# KiCad board Oblique Palette 0.5.4 PCB Main.kicad_pcb
title: Oblique Palette 0.5; date: 2025-07-16; rev: 0.5.5; company: Oblique Industries
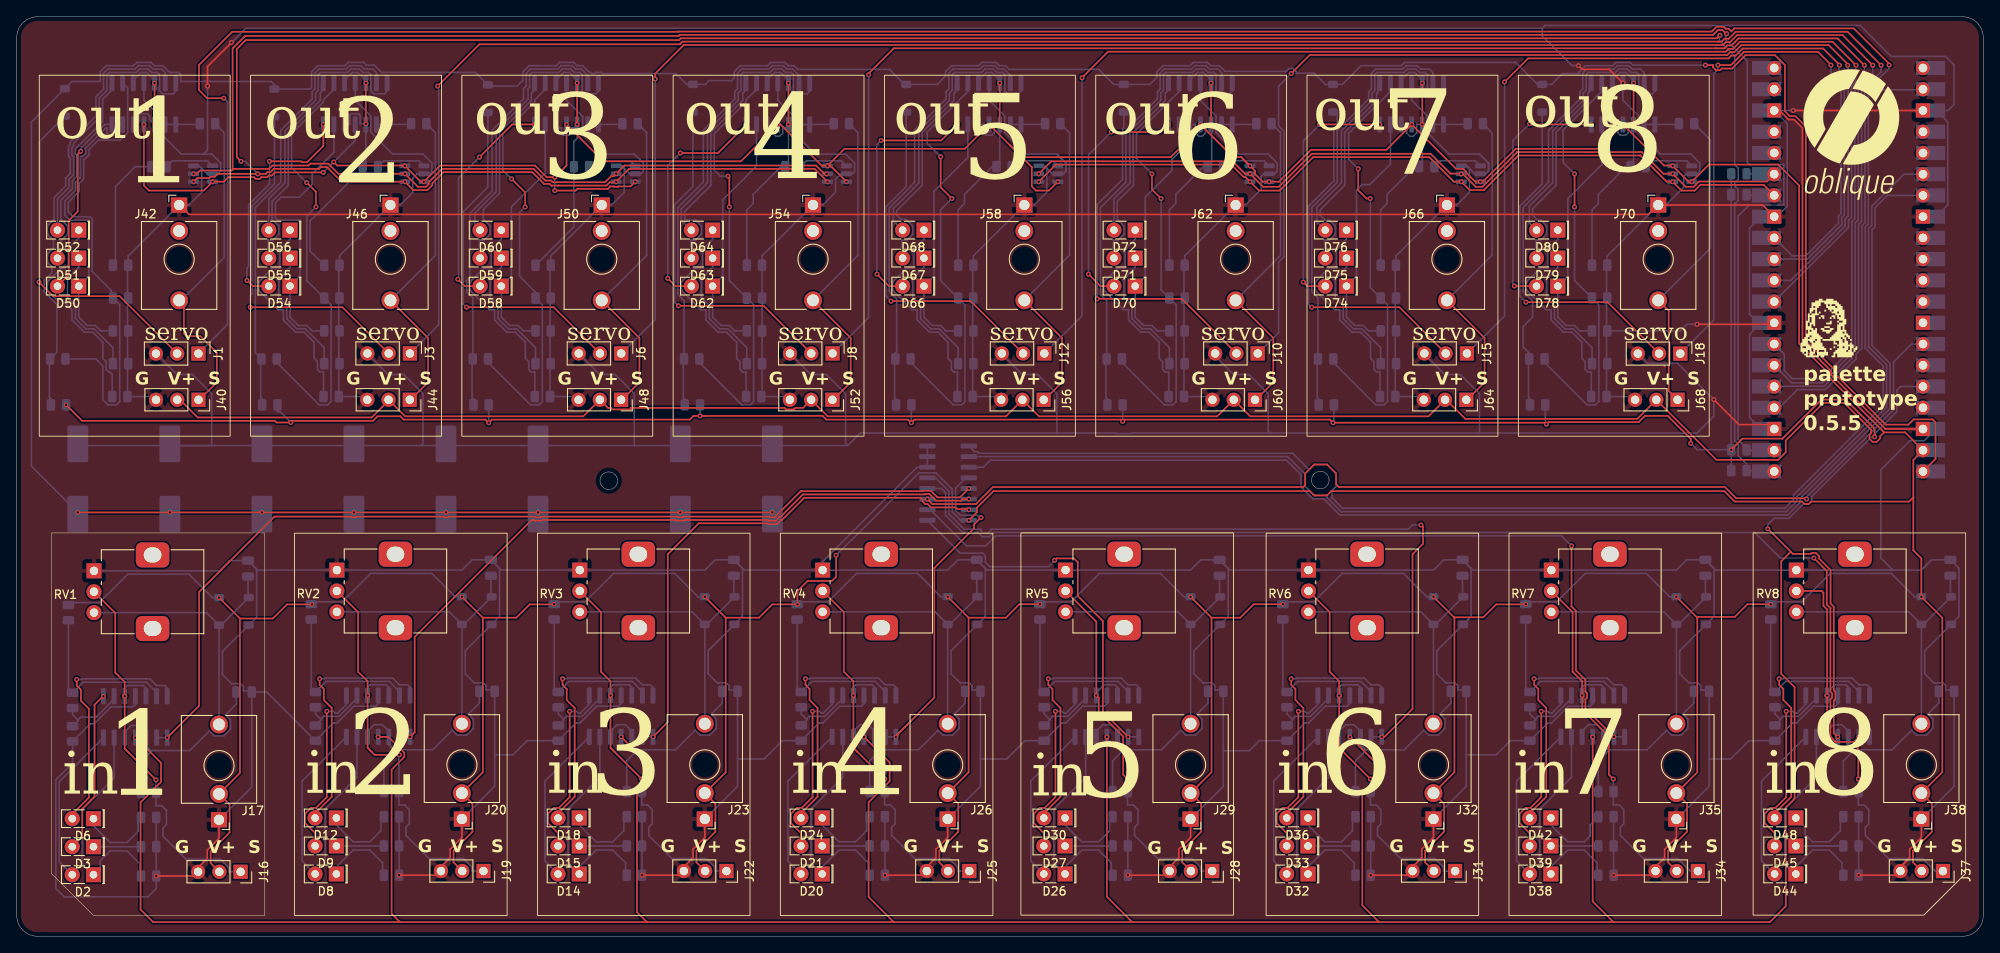
[diagram p0: board, top side]
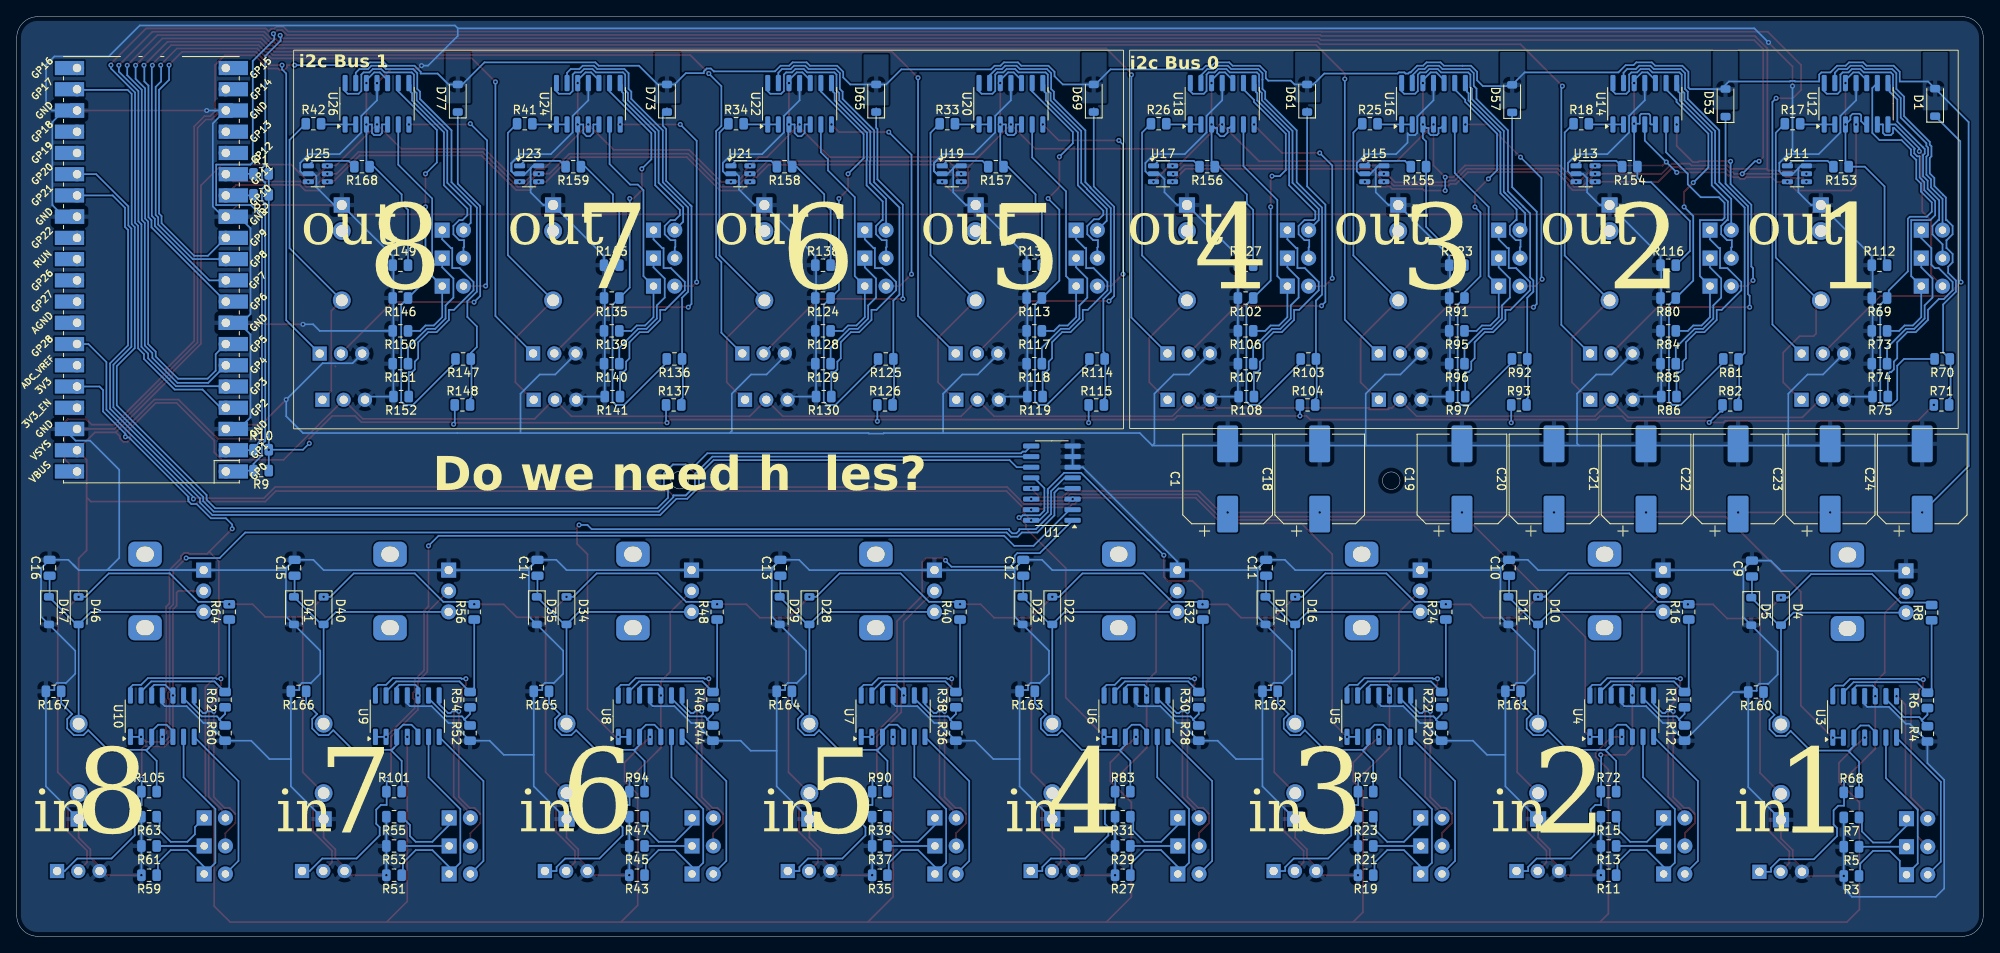
[diagram p1: board, bottom side, seen from below]

Outline 235 x 110 mm; copper layers: Top, Bottom. Coordinates in mm from the lower left corner of the outline.
Outline path: circle c70.75,54.5 r1.05 ; circle c155.78,54.57 r1.05 ; 0,107.5 arc(0.73,109.27) 2.5,110 232.5,110 arc(234.27,109.27) 235,107.5 235,2.5 arc(234.27,0.73) 232.5,0 2.5,0 arc(0.73,0.73) 0,2.5 0,107.5

## Placement (name value [footprint] x y rotation side)
C1  1mF  [CP_Elec_10x10.5]  90.3 54.7 90 bottom
C9  1n  [C_0805_2012Metric]  27.64 43.99 90 bottom
C10  1n  [C_0805_2012Metric]  56.67 44.08 90 bottom
C11  1n  [C_0805_2012Metric]  85.69 44.08 90 bottom
C12  1n  [C_0805_2012Metric]  114.72 44.08 90 bottom
C13  1n  [C_0805_2012Metric]  143.75 44.08 90 bottom
C14  1n  [C_0805_2012Metric]  172.77 44.08 90 bottom
C15  1n  [C_0805_2012Metric]  201.8 44.08 90 bottom
C16  1n  [C_0805_2012Metric]  231.07 44.08 90 bottom
C18  1mF  [CP_Elec_10x10.5]  79.3 54.7 90 bottom
C19  1mF  [CP_Elec_10x10.5]  62.3 54.7 90 bottom
C20  1mF  [CP_Elec_10x10.5]  51.3 54.7 90 bottom
C21  1mF  [CP_Elec_10x10.5]  40.3 54.7 90 bottom
C22  1mF  [CP_Elec_10x10.5]  29.3 54.7 90 bottom
C23  1mF  [CP_Elec_10x10.5]  18.3 54.7 90 bottom
C24  1mF  [CP_Elec_10x10.5]  7.3 54.7 90 bottom
D1  ~  [D_SOD-123]  5.75 99.75 90 bottom
D2  White  [LED_Rectangular_W5.0mm_H2.0mm]  9.17 7.37 180 top
D3  Yellow  [LED_Rectangular_W5.0mm_H2.0mm]  9.17 10.72 180 top
D4  1N4148  [D_SOD-123]  24.17 38.87 270 bottom
D5  1N4148  [D_SOD-123]  27.72 38.87 270 bottom
D6  Red  [LED_Rectangular_W5.0mm_H2.0mm]  9.17 14.07 180 top
D8  White  [LED_Rectangular_W5.0mm_H2.0mm]  38.2 7.46 180 top
D9  Yellow  [LED_Rectangular_W5.0mm_H2.0mm]  38.2 10.81 180 top
D10  1N4148  [D_SOD-123]  53.2 38.96 270 bottom
D11  1N4148  [D_SOD-123]  56.75 38.96 270 bottom
D12  Red  [LED_Rectangular_W5.0mm_H2.0mm]  38.2 14.16 180 top
D14  White  [LED_Rectangular_W5.0mm_H2.0mm]  67.22 7.46 180 top
D15  Yellow  [LED_Rectangular_W5.0mm_H2.0mm]  67.22 10.81 180 top
D16  1N4148  [D_SOD-123]  82.22 38.96 270 bottom
D17  1N4148  [D_SOD-123]  85.77 38.96 270 bottom
D18  Red  [LED_Rectangular_W5.0mm_H2.0mm]  67.22 14.16 180 top
D20  White  [LED_Rectangular_W5.0mm_H2.0mm]  96.25 7.46 180 top
D21  Yellow  [LED_Rectangular_W5.0mm_H2.0mm]  96.25 10.81 180 top
D22  1N4148  [D_SOD-123]  111.25 38.96 270 bottom
D23  1N4148  [D_SOD-123]  114.8 38.96 270 bottom
D24  Red  [LED_Rectangular_W5.0mm_H2.0mm]  96.25 14.16 180 top
D26  White  [LED_Rectangular_W5.0mm_H2.0mm]  125.28 7.46 180 top
D27  Yellow  [LED_Rectangular_W5.0mm_H2.0mm]  125.28 10.81 180 top
D28  1N4148  [D_SOD-123]  140.28 38.96 270 bottom
D29  1N4148  [D_SOD-123]  143.83 38.96 270 bottom
D30  Red  [LED_Rectangular_W5.0mm_H2.0mm]  125.28 14.16 180 top
D32  White  [LED_Rectangular_W5.0mm_H2.0mm]  154.3 7.46 180 top
D33  Yellow  [LED_Rectangular_W5.0mm_H2.0mm]  154.3 10.81 180 top
D34  1N4148  [D_SOD-123]  169.3 38.96 270 bottom
D35  1N4148  [D_SOD-123]  172.85 38.96 270 bottom
D36  Red  [LED_Rectangular_W5.0mm_H2.0mm]  154.3 14.16 180 top
D38  White  [LED_Rectangular_W5.0mm_H2.0mm]  183.33 7.46 180 top
D39  Yellow  [LED_Rectangular_W5.0mm_H2.0mm]  183.33 10.81 180 top
D40  1N4148  [D_SOD-123]  198.33 38.96 270 bottom
D41  1N4148  [D_SOD-123]  201.88 38.96 270 bottom
D42  Red  [LED_Rectangular_W5.0mm_H2.0mm]  183.33 14.16 180 top
D44  White  [LED_Rectangular_W5.0mm_H2.0mm]  212.6 7.46 180 top
D45  Yellow  [LED_Rectangular_W5.0mm_H2.0mm]  212.6 10.81 180 top
D46  1N4148  [D_SOD-123]  227.6 38.96 270 bottom
D47  1N4148  [D_SOD-123]  231.15 38.96 270 bottom
D48  Red  [LED_Rectangular_W5.0mm_H2.0mm]  212.6 14.16 180 top
D50  White  [LED_Rectangular_W5.0mm_H2.0mm]  7.41 77.77 180 top
D51  Yellow  [LED_Rectangular_W5.0mm_H2.0mm]  7.41 81.12 180 top
D52  Red  [LED_Rectangular_W5.0mm_H2.0mm]  7.41 84.47 180 top
D53  ~  [D_SOD-123]  30.8 99.7 90 bottom
D54  White  [LED_Rectangular_W5.0mm_H2.0mm]  32.66 77.77 180 top
D55  Yellow  [LED_Rectangular_W5.0mm_H2.0mm]  32.66 81.12 180 top
D56  Red  [LED_Rectangular_W5.0mm_H2.0mm]  32.66 84.47 180 top
D57  ~  [D_SOD-123]  56.3 100.2 90 bottom
D58  White  [LED_Rectangular_W5.0mm_H2.0mm]  57.91 77.77 180 top
D59  Yellow  [LED_Rectangular_W5.0mm_H2.0mm]  57.91 81.12 180 top
D60  Red  [LED_Rectangular_W5.0mm_H2.0mm]  57.91 84.47 180 top
D61  ~  [D_SOD-123]  80.8 100.25 90 bottom
D62  White  [LED_Rectangular_W5.0mm_H2.0mm]  83.16 77.77 180 top
D63  Yellow  [LED_Rectangular_W5.0mm_H2.0mm]  83.16 81.12 180 top
D64  Red  [LED_Rectangular_W5.0mm_H2.0mm]  83.16 84.47 180 top
D65  ~  [D_SOD-123]  132.3 100.25 90 bottom
D66  White  [LED_Rectangular_W5.0mm_H2.0mm]  108.41 77.77 180 top
D67  Yellow  [LED_Rectangular_W5.0mm_H2.0mm]  108.41 81.12 180 top
D68  Red  [LED_Rectangular_W5.0mm_H2.0mm]  108.41 84.47 180 top
D69  ~  [D_SOD-123]  106.3 100.25 90 bottom
D70  White  [LED_Rectangular_W5.0mm_H2.0mm]  133.66 77.77 180 top
D71  Yellow  [LED_Rectangular_W5.0mm_H2.0mm]  133.66 81.12 180 top
D72  Red  [LED_Rectangular_W5.0mm_H2.0mm]  133.66 84.47 180 top
D73  ~  [D_SOD-123]  157.3 100.25 90 bottom
D74  White  [LED_Rectangular_W5.0mm_H2.0mm]  158.91 77.77 180 top
D75  Yellow  [LED_Rectangular_W5.0mm_H2.0mm]  158.91 81.12 180 top
D76  Red  [LED_Rectangular_W5.0mm_H2.0mm]  158.91 84.47 180 top
D77  ~  [D_SOD-123]  182.3 100.25 90 bottom
D78  White  [LED_Rectangular_W5.0mm_H2.0mm]  184.16 77.77 180 top
D79  Yellow  [LED_Rectangular_W5.0mm_H2.0mm]  184.16 81.12 180 top
D80  Red  [LED_Rectangular_W5.0mm_H2.0mm]  184.16 84.47 180 top
G1  LOGO  [PCB silkscreen logo]  219.23 98 0 top
G1#2  LOGO  [PCB silkscreen logo]  167.75 -47.75 0 top
G2  LOGO  [PCB silkscreen logotype]  219 90 0 top
G2#2  LOGO  [PCB silkscreen logotype]  178.52 -51.75 0 top
G***  -  [LOGO]  216.66 72.76 0 top
J1  Conn_01x03_Male_Pin  [PinHeader_1x03_P2.54mm_Vertical]  21.71 69.7 270 top
J3  Conn_01x03_Male_Pin  [PinHeader_1x03_P2.54mm_Vertical]  46.99 69.72 270 top
J6  Conn_01x03_Male_Pin  [PinHeader_1x03_P2.54mm_Vertical]  72.24 69.72 270 top
J8  Conn_01x03_Male_Pin  [PinHeader_1x03_P2.54mm_Vertical]  97.49 69.72 270 top
J10  Conn_01x03_Male_Pin  [PinHeader_1x03_P2.54mm_Vertical]  148.3 69.72 270 top
J12  Conn_01x03_Male_Pin  [PinHeader_1x03_P2.54mm_Vertical]  122.8 69.72 270 top
J15  Conn_01x03_Male_Pin  [PinHeader_1x03_P2.54mm_Vertical]  173.3 69.72 270 top
J16  Conn_01x03_Female_Pin  [PinSocket_1x03_P2.54mm_Vertical]  26.75 7.72 270 top
J17  AudioJack2_SwitchT  [Jack_3.5mm_QingPu_WQP-PJ398SM_Vertical_CircularHoles]  24.17 13.94 180 top
J18  Conn_01x03_Male_Pin  [PinHeader_1x03_P2.54mm_Vertical]  198.8 69.7 270 top
J19  Conn_01x03_Female_Pin  [PinSocket_1x03_P2.54mm_Vertical]  55.78 7.81 270 top
J20  AudioJack2_SwitchT  [Jack_3.5mm_QingPu_WQP-PJ398SM_Vertical_CircularHoles]  53.2 14.03 180 top
J22  Conn_01x03_Female_Pin  [PinSocket_1x03_P2.54mm_Vertical]  84.8 7.81 270 top
J23  AudioJack2_SwitchT  [Jack_3.5mm_QingPu_WQP-PJ398SM_Vertical_CircularHoles]  82.22 14.03 180 top
J25  Conn_01x03_Female_Pin  [PinSocket_1x03_P2.54mm_Vertical]  113.83 7.81 270 top
J26  AudioJack2_SwitchT  [Jack_3.5mm_QingPu_WQP-PJ398SM_Vertical_CircularHoles]  111.25 14.03 180 top
J28  Conn_01x03_Female_Pin  [PinSocket_1x03_P2.54mm_Vertical]  142.86 7.81 270 top
J29  AudioJack2_SwitchT  [Jack_3.5mm_QingPu_WQP-PJ398SM_Vertical_CircularHoles]  140.28 14.03 180 top
J31  Conn_01x03_Female_Pin  [PinSocket_1x03_P2.54mm_Vertical]  171.88 7.81 270 top
J32  AudioJack2_SwitchT  [Jack_3.5mm_QingPu_WQP-PJ398SM_Vertical_CircularHoles]  169.3 14.03 180 top
J34  Conn_01x03_Female_Pin  [PinSocket_1x03_P2.54mm_Vertical]  200.91 7.81 270 top
J35  AudioJack2_SwitchT  [Jack_3.5mm_QingPu_WQP-PJ398SM_Vertical_CircularHoles]  198.33 14.03 180 top
J37  Conn_01x03_Female_Pin  [PinSocket_1x03_P2.54mm_Vertical]  230.18 7.81 270 top
J38  AudioJack2_SwitchT  [Jack_3.5mm_QingPu_WQP-PJ398SM_Vertical_CircularHoles]  227.6 14.03 180 top
J40  Conn_01x03_Female_Pin  [PinSocket_1x03_P2.54mm_Vertical]  21.72 64.18 270 top
J42  AudioJack2_SwitchT  [Jack_3.5mm_QingPu_WQP-PJ398SM_Vertical_CircularHoles]  19.41 87.47 0 top
J44  Conn_01x03_Female_Pin  [PinSocket_1x03_P2.54mm_Vertical]  46.97 64.18 270 top
J46  AudioJack2_SwitchT  [Jack_3.5mm_QingPu_WQP-PJ398SM_Vertical_CircularHoles]  44.66 87.47 0 top
J48  Conn_01x03_Female_Pin  [PinSocket_1x03_P2.54mm_Vertical]  72.22 64.18 270 top
J50  AudioJack2_SwitchT  [Jack_3.5mm_QingPu_WQP-PJ398SM_Vertical_CircularHoles]  69.91 87.47 0 top
J52  Conn_01x03_Female_Pin  [PinSocket_1x03_P2.54mm_Vertical]  97.47 64.18 270 top
J54  AudioJack2_SwitchT  [Jack_3.5mm_QingPu_WQP-PJ398SM_Vertical_CircularHoles]  95.16 87.47 0 top
J56  Conn_01x03_Female_Pin  [PinSocket_1x03_P2.54mm_Vertical]  122.72 64.18 270 top
J58  AudioJack2_SwitchT  [Jack_3.5mm_QingPu_WQP-PJ398SM_Vertical_CircularHoles]  120.41 87.47 0 top
J60  Conn_01x03_Female_Pin  [PinSocket_1x03_P2.54mm_Vertical]  147.97 64.18 270 top
J62  AudioJack2_SwitchT  [Jack_3.5mm_QingPu_WQP-PJ398SM_Vertical_CircularHoles]  145.66 87.47 0 top
J64  Conn_01x03_Female_Pin  [PinSocket_1x03_P2.54mm_Vertical]  173.22 64.18 270 top
J66  AudioJack2_SwitchT  [Jack_3.5mm_QingPu_WQP-PJ398SM_Vertical_CircularHoles]  170.91 87.47 0 top
J68  Conn_01x03_Female_Pin  [PinSocket_1x03_P2.54mm_Vertical]  198.47 64.18 270 top
J70  AudioJack2_SwitchT  [Jack_3.5mm_QingPu_WQP-PJ398SM_Vertical_CircularHoles]  196.16 87.47 0 top
R1  R33k  [R_0805_2012Metric]  205.8 91.2 180 bottom
R2  R33k  [R_0805_2012Metric]  205.8 88.7 0 bottom
R3  1K  [R_0805_2012Metric]  15.76 7.22 0 bottom
R4  300k  [R_0805_2012Metric]  6.67 24.22 90 bottom
R5  127R  [R_0805_2012Metric]  15.76 10.72 0 bottom
R6  110K  [R_0805_2012Metric]  6.67 28.22 90 bottom
R7  127R  [R_0805_2012Metric]  15.76 14.22 0 bottom
R8  150K  [R_0805_2012Metric]  6.17 38.72 90 bottom
R9  R33k  [R_0805_2012Metric]  205.8 55.7 0 bottom
R10  R33k  [R_0805_2012Metric]  205.8 58.2 180 bottom
R11  1K  [R_0805_2012Metric]  44.79 7.31 0 bottom
R12  300k  [R_0805_2012Metric]  35.7 24.31 90 bottom
R13  127R  [R_0805_2012Metric]  44.79 10.81 0 bottom
R14  110K  [R_0805_2012Metric]  35.7 28.31 90 bottom
R15  127R  [R_0805_2012Metric]  44.79 14.31 0 bottom
R16  150K  [R_0805_2012Metric]  35.2 38.81 90 bottom
R17  100R  [R_0805_2012Metric]  22.8 97.2 180 bottom
R18  100R  [R_0805_2012Metric]  48.05 97.2 180 bottom
R19  1K  [R_0805_2012Metric]  73.81 7.31 0 bottom
R20  300k  [R_0805_2012Metric]  64.72 24.31 90 bottom
R21  127R  [R_0805_2012Metric]  73.81 10.81 0 bottom
R22  110K  [R_0805_2012Metric]  64.72 28.31 90 bottom
R23  127R  [R_0805_2012Metric]  73.81 14.31 0 bottom
R24  150K  [R_0805_2012Metric]  64.22 38.81 90 bottom
R25  100R  [R_0805_2012Metric]  73.3 97.2 180 bottom
R26  100R  [R_0805_2012Metric]  98.55 97.2 180 bottom
R27  1K  [R_0805_2012Metric]  102.84 7.31 0 bottom
R28  300k  [R_0805_2012Metric]  93.75 24.31 90 bottom
R29  127R  [R_0805_2012Metric]  102.84 10.81 0 bottom
R30  110K  [R_0805_2012Metric]  93.75 28.31 90 bottom
R31  127R  [R_0805_2012Metric]  102.84 14.31 0 bottom
R32  150K  [R_0805_2012Metric]  93.25 38.81 90 bottom
R33  100R  [R_0805_2012Metric]  123.8 97.2 180 bottom
R34  100R  [R_0805_2012Metric]  149.05 97.2 180 bottom
R35  1K  [R_0805_2012Metric]  131.86 7.31 0 bottom
R36  300k  [R_0805_2012Metric]  122.78 24.31 90 bottom
R37  127R  [R_0805_2012Metric]  131.86 10.81 0 bottom
R38  110K  [R_0805_2012Metric]  122.78 28.31 90 bottom
R39  127R  [R_0805_2012Metric]  131.86 14.31 0 bottom
R40  150K  [R_0805_2012Metric]  122.28 38.81 90 bottom
R41  100R  [R_0805_2012Metric]  174.3 97.2 180 bottom
R42  100R  [R_0805_2012Metric]  199.55 97.2 180 bottom
R43  1K  [R_0805_2012Metric]  160.89 7.31 0 bottom
R44  300k  [R_0805_2012Metric]  151.8 24.31 90 bottom
R45  127R  [R_0805_2012Metric]  160.89 10.81 0 bottom
R46  110K  [R_0805_2012Metric]  151.8 28.31 90 bottom
R47  127R  [R_0805_2012Metric]  160.89 14.31 0 bottom
R48  150K  [R_0805_2012Metric]  151.3 38.81 90 bottom
R51  1K  [R_0805_2012Metric]  189.91 7.31 0 bottom
R52  300k  [R_0805_2012Metric]  180.83 24.31 90 bottom
R53  127R  [R_0805_2012Metric]  189.91 10.81 0 bottom
R54  110K  [R_0805_2012Metric]  180.83 28.31 90 bottom
R55  127R  [R_0805_2012Metric]  189.91 14.31 0 bottom
R56  150K  [R_0805_2012Metric]  180.33 38.81 90 bottom
R59  1K  [R_0805_2012Metric]  219.19 7.31 0 bottom
R60  300k  [R_0805_2012Metric]  210.1 24.31 90 bottom
R61  127R  [R_0805_2012Metric]  219.19 10.81 0 bottom
R62  110K  [R_0805_2012Metric]  210.1 28.31 90 bottom
R63  127R  [R_0805_2012Metric]  219.19 14.31 0 bottom
R64  150K  [R_0805_2012Metric]  209.6 38.81 90 bottom
R68  100K  [R_0805_2012Metric]  15.76 17.22 180 bottom
R69  300k  [R_0805_2012Metric]  12.41 76.35 0 bottom
R70  110k  [R_0805_2012Metric]  4.91 69.06 0 bottom
R71  150k  [R_0805_2012Metric]  4.99 63.56 180 bottom
R72  100K  [R_0805_2012Metric]  44.79 17.31 180 bottom
R73  1K  [R_0805_2012Metric]  12.41 72.42 0 bottom
R74  127R  [R_0805_2012Metric]  12.41 68.49 0 bottom
R75  127R  [R_0805_2012Metric]  12.32 64.56 0 bottom
R79  100K  [R_0805_2012Metric]  73.81 17.31 180 bottom
R80  300k  [R_0805_2012Metric]  37.66 76.35 0 bottom
R81  110k  [R_0805_2012Metric]  30.16 69.06 0 bottom
R82  150k  [R_0805_2012Metric]  30.24 63.56 180 bottom
R83  100K  [R_0805_2012Metric]  102.84 17.31 180 bottom
R84  1K  [R_0805_2012Metric]  37.66 72.42 0 bottom
R85  127R  [R_0805_2012Metric]  37.66 68.49 0 bottom
R86  127R  [R_0805_2012Metric]  37.57 64.56 0 bottom
R90  100K  [R_0805_2012Metric]  131.86 17.31 180 bottom
R91  300k  [R_0805_2012Metric]  62.91 76.35 0 bottom
R92  110k  [R_0805_2012Metric]  55.41 69.06 0 bottom
R93  150k  [R_0805_2012Metric]  55.49 63.56 180 bottom
R94  100K  [R_0805_2012Metric]  160.89 17.31 180 bottom
R95  1K  [R_0805_2012Metric]  62.91 72.42 0 bottom
R96  127R  [R_0805_2012Metric]  62.91 68.49 0 bottom
R97  127R  [R_0805_2012Metric]  62.82 64.56 0 bottom
R101  100K  [R_0805_2012Metric]  189.91 17.31 180 bottom
R102  300k  [R_0805_2012Metric]  88.16 76.35 0 bottom
R103  110k  [R_0805_2012Metric]  80.66 69.06 0 bottom
R104  150k  [R_0805_2012Metric]  80.74 63.56 180 bottom
R105  100K  [R_0805_2012Metric]  219.19 17.31 180 bottom
R106  1K  [R_0805_2012Metric]  88.16 72.42 0 bottom
R107  127R  [R_0805_2012Metric]  88.16 68.49 0 bottom
R108  127R  [R_0805_2012Metric]  88.07 64.56 0 bottom
R112  200k  [R_0805_2012Metric]  12.41 80.28 180 bottom
R113  300k  [R_0805_2012Metric]  113.41 76.35 0 bottom
R114  110k  [R_0805_2012Metric]  105.91 69.06 0 bottom
R115  150k  [R_0805_2012Metric]  105.99 63.56 180 bottom
R116  200k  [R_0805_2012Metric]  37.66 80.28 180 bottom
R117  1K  [R_0805_2012Metric]  113.41 72.42 0 bottom
R118  127R  [R_0805_2012Metric]  113.41 68.49 0 bottom
R119  127R  [R_0805_2012Metric]  113.32 64.56 0 bottom
R123  200k  [R_0805_2012Metric]  62.91 80.28 180 bottom
R124  300k  [R_0805_2012Metric]  138.66 76.35 0 bottom
R125  110k  [R_0805_2012Metric]  131.16 69.06 0 bottom
R126  150k  [R_0805_2012Metric]  131.24 63.56 180 bottom
R127  200k  [R_0805_2012Metric]  88.16 80.28 180 bottom
R128  1K  [R_0805_2012Metric]  138.66 72.42 0 bottom
R129  127R  [R_0805_2012Metric]  138.66 68.49 0 bottom
R130  127R  [R_0805_2012Metric]  138.57 64.56 0 bottom
R134  200k  [R_0805_2012Metric]  113.41 80.28 180 bottom
R135  300k  [R_0805_2012Metric]  163.91 76.35 0 bottom
R136  110k  [R_0805_2012Metric]  156.41 69.06 0 bottom
R137  150k  [R_0805_2012Metric]  156.49 63.56 180 bottom
R138  200k  [R_0805_2012Metric]  138.66 80.28 180 bottom
R139  1K  [R_0805_2012Metric]  163.91 72.42 0 bottom
R140  127R  [R_0805_2012Metric]  163.91 68.49 0 bottom
R141  127R  [R_0805_2012Metric]  163.82 64.56 0 bottom
R145  200k  [R_0805_2012Metric]  163.91 80.28 180 bottom
R146  300k  [R_0805_2012Metric]  189.16 76.35 0 bottom
R147  110k  [R_0805_2012Metric]  181.66 69.06 0 bottom
R148  150k  [R_0805_2012Metric]  181.74 63.56 180 bottom
R149  200k  [R_0805_2012Metric]  189.16 80.28 180 bottom
R150  1K  [R_0805_2012Metric]  189.16 72.42 0 bottom
R151  127R  [R_0805_2012Metric]  189.16 68.49 0 bottom
R152  127R  [R_0805_2012Metric]  189.07 64.56 0 bottom
R153  100k  [R_0805_2012Metric]  16.99 92.06 0 bottom
R154  100k  [R_0805_2012Metric]  42.24 92.06 0 bottom
R155  100k  [R_0805_2012Metric]  67.49 92.06 0 bottom
R156  100k  [R_0805_2012Metric]  92.74 92.06 0 bottom
R157  100k  [R_0805_2012Metric]  117.99 92.06 0 bottom
R158  100k  [R_0805_2012Metric]  143.24 92.06 0 bottom
R159  100k  [R_0805_2012Metric]  168.49 92.06 0 bottom
R160  200K  [R_0805_2012Metric]  27.17 29.22 0 bottom
R161  200K  [R_0805_2012Metric]  56.2 29.31 0 bottom
R162  200K  [R_0805_2012Metric]  85.22 29.31 0 bottom
R163  200K  [R_0805_2012Metric]  114.25 29.31 0 bottom
R164  200K  [R_0805_2012Metric]  143.28 29.31 0 bottom
R165  200K  [R_0805_2012Metric]  172.3 29.31 0 bottom
R166  200K  [R_0805_2012Metric]  201.33 29.31 0 bottom
R167  200K  [R_0805_2012Metric]  230.6 29.31 0 bottom
R168  100k  [R_0805_2012Metric]  193.74 92.06 0 bottom
RV1  R_Potentiometer_MountingPin  [Potentiometer_Alps_RK09K_Single_Vertical]  9.23 43.72 0 top
RV2  R_Potentiometer_MountingPin  [Potentiometer_Alps_RK09K_Single_Vertical]  38.26 43.81 0 top
RV3  R_Potentiometer_MountingPin  [Potentiometer_Alps_RK09K_Single_Vertical]  67.28 43.81 0 top
RV4  R_Potentiometer_MountingPin  [Potentiometer_Alps_RK09K_Single_Vertical]  96.31 43.81 0 top
RV5  R_Potentiometer_MountingPin  [Potentiometer_Alps_RK09K_Single_Vertical]  125.34 43.81 0 top
RV6  R_Potentiometer_MountingPin  [Potentiometer_Alps_RK09K_Single_Vertical]  154.36 43.81 0 top
RV7  R_Potentiometer_MountingPin  [Potentiometer_Alps_RK09K_Single_Vertical]  183.39 43.81 0 top
RV8  R_Potentiometer_MountingPin  [Potentiometer_Alps_RK09K_Single_Vertical]  212.66 43.81 0 top
U1  CD4051B  [SOIC-16_3.9x9.9mm_P1.27mm]  111.3 54.2 0 bottom
U2  Pico  [RPi_Pico_SMD_TH]  218.91 79.73 0 bottom  (not fitted)
U3  MCP6004  [SOIC-14_3.9x8.7mm_P1.27mm]  14.17 26.24 90 bottom
U4  MCP6004  [SOIC-14_3.9x8.7mm_P1.27mm]  43.2 26.33 90 bottom
U5  MCP6004  [SOIC-14_3.9x8.7mm_P1.27mm]  72.22 26.33 90 bottom
U6  MCP6004  [SOIC-14_3.9x8.7mm_P1.27mm]  101.25 26.33 90 bottom
U7  MCP6004  [SOIC-14_3.9x8.7mm_P1.27mm]  130.28 26.33 90 bottom
U8  MCP6004  [SOIC-14_3.9x8.7mm_P1.27mm]  159.3 26.33 90 bottom
U9  MCP6004  [SOIC-14_3.9x8.7mm_P1.27mm]  188.33 26.33 90 bottom
U10  MCP6004  [SOIC-14_3.9x8.7mm_P1.27mm]  217.6 26.33 90 bottom
U11  MCP4725xxx-xCH  [SOT-23-6]  22.27 91.21 180 bottom
U12  MCP6004  [SOIC-14_3.9x8.7mm_P1.27mm]  15.2 99.59 90 bottom
U13  MCP4725xxx-xCH  [SOT-23-6]  47.52 91.21 180 bottom
U14  MCP6004  [SOIC-14_3.9x8.7mm_P1.27mm]  40.45 99.59 90 bottom
U15  MCP4725xxx-xCH  [SOT-23-6]  72.77 91.21 180 bottom
U16  MCP6004  [SOIC-14_3.9x8.7mm_P1.27mm]  65.7 99.59 90 bottom
U17  MCP4725xxx-xCH  [SOT-23-6]  98.02 91.21 180 bottom
U18  MCP6004  [SOIC-14_3.9x8.7mm_P1.27mm]  90.95 99.59 90 bottom
U19  MCP4725xxx-xCH  [SOT-23-6]  123.27 91.21 180 bottom
U20  MCP6004  [SOIC-14_3.9x8.7mm_P1.27mm]  116.2 99.59 90 bottom
U21  MCP4725xxx-xCH  [SOT-23-6]  148.52 91.21 180 bottom
U22  MCP6004  [SOIC-14_3.9x8.7mm_P1.27mm]  141.45 99.59 90 bottom
U23  MCP4725xxx-xCH  [SOT-23-6]  173.77 91.21 180 bottom
U24  MCP6004  [SOIC-14_3.9x8.7mm_P1.27mm]  166.7 99.59 90 bottom
U25  MCP4725xxx-xCH  [SOT-23-6]  199.02 91.21 180 bottom
U26  MCP6004  [SOIC-14_3.9x8.7mm_P1.27mm]  191.95 99.59 90 bottom
